# Allegro board BeagleBone AI -64_PCB_V1.02_211119.brd (continued)
## Routing (per net, layer and track width the routed paths; a pad name or vN(x,y) marks a point on that pad's centre or on a via; arc(x,y) is an arc through that point) (continued)
  L6-GND w0.381: P9.43 -34.47,23.06 ; P9.43 -34.47,21.18 ; P9.43 -35.41,22.12 ; P9.43 -33.52,22.12 ; -37.01,23.72 P9.46 ; P9.46 -36.06,24.66 ; P9.46 -37.95,24.66 ; P9.45 -36.06,22.12 ; P9.45 -37.95,22.12 ; P9.45 -37.01,23.06 ; P9.45 -37.01,21.18 ; -11.86,6.93 J8.7 ; J8.7 -11.18,7.6 ; J8.7 -11.18,6.25 ; J8.7 -10.5,6.93 ; 51.24,12.45 J3.1 ; J3.1 52.61,12.45 ; J3.1 51.92,11.76 ; P9.E4 22.36,24.66 ; P9.E4 20.47,24.66 ; P9.E4 21.41,25.6 ; P9.E4 21.41,23.72 ; J8.16 -10.5,10.13 ; J8.16 -11.86,10.13 ; J8.16 -11.18,9.45 ; J8.16 -11.18,10.8 ; -27.07,0.47 J9.12 ; J9.12 -24.91,0.47 ; J9.12 -25.99,1.55 ; J9.12 -25.99,-0.61 ; -14.68,4.75 J8.4 ; J8.4 -14.68,6.1 ; J8.4 -14,5.43 ; J8.4 -15.36,5.43 ; 18.87,69.44 P8.1 ; P8.1 18.87,71.32 ; P8.1 17.93,70.38 ; P8.1 19.82,70.38 ; -14.68,7.95 J8.13 ; J8.13 -15.36,8.63 ; J8.13 -14.68,9.3 ; J8.13 -14,8.63 ; J9.14 -36.71,1.55 ; J9.14 -36.71,-0.61 ; J9.14 -35.63,0.47 ; 51.92,19.27 J2.1 ; J2.1 51.24,19.95 ; J2.1 52.61,19.95 ; 34.85,3.91 J5.B1 34.37,4.39 ; 17.93,72.92 P8.2 ; P8.2 18.87,73.86 ; P8.2 18.87,71.98 ; P8.2 19.82,72.92 ; P9.44 -34.47,25.6 ; P9.44 -34.47,23.72 ; P9.44 -33.52,24.66 ; P9.44 -35.41,24.66 ; 11.81,4.08 J7.14 10.64,4.08 ; MH8.1 42.48,43.27 ; MH8.1 45.56,40.19 ; MH8.1 42.48,37.11 ; MH8.1 39.41,40.19 ; J6.2 25.77,1.97 ; J6.2 23.84,1.2 ; J6.2 25.77,0.42 ; J6.2 27.7,1.2 ; 40.47,4.39 J5.B12 39.99,3.91 ; 10.01,4.08 J7.8 8.84,4.08
  L7-PWR/GND w0.203: v1(40.04,22.79) 37.87,22.79 36.37,21.29 34.3,21.29 33.81,21.77 33.81,25.71 32.31,27.2 31.96,27.56 24.11,27.56 23.76,27.2 4.86,27.2 4.63,26.98 2.52,26.98 1.53,27.97 -7.77,27.97 -8.43,28.63 v1(-8.43,30.33) -8.43,30.79 -6.44,32.77 -6.44,32.83 v1(-6.12,33.15) -5.56,33.71 -5.56,42.72 v1(-5.09,43.18) ; v1(-6.69,43.98) -6.22,43.51 -6.22,36.95 -6.36,36.81 v1(-6.36,34.35) -9.47,31.24 -9.47,28.4 -8.38,27.31 1.06,27.31 2.05,26.32 4.9,26.32 5.13,26.54 24.06,26.54 24.34,26.82 31.6,26.82 32.62,25.81 32.62,21.96 34.11,20.47 36.61,20.47 37.57,21.44 39.3,21.44 v1(40.06,20.68)
  L7-PWR/GND w0.381: 51.24,19.95 J2.1 ; J2.1 52.61,19.95 ; J2.1 51.92,19.27 ; 51.92,11.76 J3.1 ; J3.1 52.61,12.45 ; J3.1 51.24,12.45
  L8-PWR/GND w0.381: -37.01,23.72 P9.46 -37.95,24.66 ; 11.81,4.08 J7.14 10.64,4.08 ; -34.47,21.18 P9.43 -35.41,22.12 ; 39.99,3.91 J5.B12 40.47,4.39 ; -37.95,22.12 P9.45 ; P9.45 -37.01,23.06 ; P9.45 -36.06,22.12 ; P9.45 -37.01,21.18 ; J6.2 25.77,1.97 ; J6.2 27.7,1.2 ; J6.2 23.84,1.2 ; J6.2 25.77,0.42 ; 34.37,4.39 J5.B1 34.85,3.91 ; 10.01,4.08 J7.8 8.84,4.08
  L8-PWR/GND w0.635: 17.93,70.38 P8.1 ; P8.1 18.87,71.32 ; P8.1 19.82,70.38 ; P8.1 18.87,69.44 ; P8.2 18.87,73.86 ; P8.2 17.93,72.92 ; P8.2 19.82,72.92 ; P8.2 18.87,71.98
  L9-PWR/GND w0.381: 51.24,12.45 J3.1 ; J3.1 51.92,11.76 ; J3.1 52.61,12.45
  L9-PWR/GND w0.406: J2.1 52.76,19.95 52.8,19.92 53.07,19.92
  L9-PWR/GND w0.635: 17.93,72.92 P8.2 ; P8.2 18.87,73.86 ; P8.2 19.82,72.92
  L10-SIGNAL w0.152: v1(42.32,48.64) 42.03,48.94 42.03,49.47 41.61,49.89 38.84,49.89 37.87,48.91 30.65,48.91 27.12,52.44 9.71,52.44 7.27,50 7.27,50 7.26,49.99 -3.63,49.99 -3.88,49.74 -3.88,49.2 v1(-4.29,48.79) ; v1(-3.49,51.99) -3.9,51.58 -3.9,50.9 -3.59,50.58 7,50.58 9.44,53.03 16.53,53.03 16.54,53.02 27.48,53.02 31.01,49.49 37.48,49.49 38.72,50.73 v1(42.12,50.73) ; -4.26,52.79 v1(-4.29,52.79)
  L10-SIGNAL w0.356: J8.13 -14.68,9.3 ; J8.13 -15.36,8.63 ; J8.13 -14,8.63 ; J8.13 -14.68,7.95 ; P8.1 18.87,71.32 ; P8.1 17.93,70.38 ; P8.1 19.82,70.38 ; -14.68,4.75 J8.4 ; J8.4 -14,5.43 ; J8.4 -14.68,6.1 ; J8.4 -15.36,5.43 ; 39.99,3.91 J5.B12 40.47,4.39 ; 34.37,4.39 J5.B1 34.85,3.91 ; J3.1 52.61,12.45 ; J3.1 51.92,11.76 ; J3.1 51.24,12.45 ; J3.1 51.92,13.13 ; P8.2 18.87,73.86 ; P8.2 19.82,72.92 ; P8.2 17.93,72.92 ; P8.2 18.87,71.98 ; J9.14 -36.71,1.55 ; J9.14 -36.71,-0.61 ; J9.14 -35.63,0.47 ; J2.1 52.61,19.95 ; J2.1 51.92,19.27 ; J2.1 51.92,20.64 ; -25.99,-0.61 J9.12 ; J9.12 -25.99,1.55 ; J9.12 -24.91,0.47 ; J9.12 -27.07,0.47 ; 21.41,23.72 P9.E4 ; P9.E4 21.41,25.6 ; P9.E4 20.47,24.66 ; -34.47,23.06 P9.43 -34.47,21.18 ; 23.84,1.2 J6.2 ; J6.2 27.7,1.2 ; J6.2 25.77,0.42 ; J6.2 25.77,1.97 ; 10.64,4.08 J7.14 11.81,4.08 ; 10.01,4.08 J7.8 8.84,4.08 ; MH8.1 45.56,40.19 ; MH8.1 39.41,40.19 ; MH8.1 42.48,43.27 ; -37.01,21.18 P9.45 -37.01,23.06
  L11-GND w0.203: J5.B12 40.37,3.81 40.37,3.3 ; 34.49,3.28 34.49,3.79 J5.B1
  L11-GND w0.381: J8.16 -10.5,10.13 ; J8.16 -11.18,10.8 ; J8.16 -11.18,9.45 ; J8.16 -11.86,10.13 ; -34.47,21.18 P9.43 ; P9.43 -35.41,22.12 ; P9.43 -34.47,23.06 ; P9.43 -33.52,22.12 ; J8.4 -14.68,6.1 ; J8.4 -14.68,4.75 ; J8.4 -15.36,5.43 ; J8.4 -14,5.43 ; J6.2 25.77,1.97 ; J6.2 23.84,1.2 ; J6.2 25.77,0.42 ; J6.2 27.7,1.2 ; 10.64,4.08 J7.14 11.81,4.08 ; J3.1 52.61,12.45 ; J3.1 51.92,11.76 ; J3.1 51.24,12.45 ; 39.99,3.91 J5.B12 40.47,4.39 ; J9.12 -24.91,0.47 ; J9.12 -25.99,1.55 ; J9.12 -27.07,0.47 ; J9.12 -25.99,-0.61 ; P8.2 19.82,72.92 ; P8.2 18.87,73.86 ; P8.2 18.87,71.98 ; P8.2 17.93,72.92 ; J8.13 -14.68,9.3 ; J8.13 -15.36,8.63 ; J8.13 -14.68,7.95 ; J8.13 -14,8.63 ; 39.41,40.19 MH8.1 ; MH8.1 42.48,37.11 ; MH8.1 42.48,43.27 ; MH8.1 45.56,40.19 ; -37.95,22.12 P9.45 ; P9.45 -37.01,21.18 ; P9.45 -36.06,22.12 ; P9.45 -37.01,23.06 ; -11.18,6.25 J8.7 ; J8.7 -10.5,6.93 ; J8.7 -11.86,6.93 ; J8.7 -11.18,7.6 ; J2.1 52.61,19.95 ; J2.1 51.24,19.95 ; J2.1 51.92,19.27 ; P8.1 18.87,71.32 ; P8.1 17.93,70.38 ; P8.1 18.87,69.44 ; P8.1 19.82,70.38 ; -37.01,23.72 P9.46 ; P9.46 -36.06,24.66 ; P9.46 -37.95,24.66 ; J9.14 -36.71,1.55 ; J9.14 -35.63,0.47 ; J9.14 -36.71,-0.61 ; 21.41,23.72 P9.E4 ; P9.E4 22.36,24.66 ; P9.E4 20.47,24.66 ; P9.E4 21.41,25.6 ; 34.37,4.39 J5.B1 34.85,3.91 ; P9.44 -33.52,24.66 ; P9.44 -35.41,24.66 ; P9.44 -34.47,25.6 ; P9.44 -34.47,23.72 ; 8.84,4.08 J7.8 10.01,4.08
  L12-SIGNAL w0.356: -11.86,10.13 J8.16 ; J8.16 -11.18,9.45 ; J8.16 -11.18,10.8 ; J8.16 -10.5,10.13 ; -11.18,6.25 J8.7 ; J8.7 -11.86,6.93 ; J8.7 -10.5,6.93 ; J8.7 -11.18,7.6 ; -15.36,8.63 J8.13 ; J8.13 -14.68,7.95 ; J8.13 -14,8.63 ; J8.13 -14.68,9.3 ; J9.14 -36.71,1.55 ; J9.14 -35.63,0.47 ; J9.14 -36.71,-0.61 ; 34.85,3.91 J5.B1 34.37,4.39 ; -35.41,24.66 P9.44 ; P9.44 -33.52,24.66 ; P9.44 -34.47,23.72 ; P9.44 -34.47,25.6 ; P9.45 -36.06,22.12 ; P9.45 -37.01,23.06 ; P9.45 -37.95,22.12 ; P9.45 -37.01,21.18 ; -37.01,23.72 P9.46 ; P9.46 -36.06,24.66 ; P9.46 -37.95,24.66 ; P8.1 18.87,71.32 ; P8.1 17.93,70.38 ; P8.1 19.82,70.38 ; 11.81,4.08 J7.14 10.64,4.08 ; -34.47,21.18 P9.43 ; P9.43 -35.41,22.12 ; P9.43 -34.47,23.06 ; P9.43 -33.52,22.12 ; P8.2 18.87,73.86 ; P8.2 19.82,72.92 ; P8.2 18.87,71.98 ; P8.2 17.93,72.92 ; J2.1 52.61,19.95 ; J2.1 51.24,19.95 ; J2.1 51.92,20.64 ; J2.1 51.92,19.27 ; MH8.1 42.48,43.27 ; MH8.1 45.56,40.19 ; MH8.1 42.48,37.11 ; MH8.1 39.41,40.19 ; J9.12 -24.91,0.47 ; J9.12 -25.99,1.55 ; J9.12 -25.99,-0.61 ; J9.12 -27.07,0.47 ; -15.36,5.43 J8.4 ; J8.4 -14.68,6.1 ; J8.4 -14,5.43 ; J8.4 -14.68,4.75 ; J6.2 27.7,1.2 ; J6.2 25.77,1.97 ; J6.2 25.77,0.42 ; J6.2 23.84,1.2 ; 8.84,4.08 J7.8 10.01,4.08 ; J3.1 51.92,13.13 ; J3.1 52.61,12.45 ; J3.1 51.92,11.76 ; J3.1 51.24,12.45 ; 40.47,4.39 J5.B12 39.99,3.91 ; 20.47,24.66 P9.E4 21.41,25.6
  L13-GND w0.203: J5.B12 40.37,3.81 40.37,3.3 ; 34.49,3.3 34.49,3.79 J5.B1
  L13-GND w0.381: J8.7 -10.5,6.93 ; J8.7 -11.86,6.93 ; J8.7 -11.18,6.25 ; J8.7 -11.18,7.6 ; -34.47,23.72 P9.44 ; P9.44 -33.52,24.66 ; P9.44 -35.41,24.66 ; P9.44 -34.47,25.6 ; J3.1 52.61,12.45 ; J3.1 51.92,11.76 ; J3.1 51.24,12.45 ; -34.47,21.18 P9.43 ; P9.43 -33.52,22.12 ; P9.43 -34.47,23.06 ; P9.43 -35.41,22.12 ; 34.85,3.91 J5.B1 34.37,4.39 ; 17.93,72.92 P8.2 ; P8.2 18.87,73.86 ; P8.2 19.82,72.92 ; P8.2 18.87,71.98 ; P9.45 -36.06,22.12 ; P9.45 -37.95,22.12 ; P9.45 -37.01,23.06 ; P9.45 -37.01,21.18 ; J8.16 -11.18,10.8 ; J8.16 -11.86,10.13 ; J8.16 -11.18,9.45 ; J8.16 -10.5,10.13 ; 8.84,4.08 J7.8 10.01,4.08 ; -25.99,-0.61 J9.12 ; J9.12 -27.07,0.47 ; J9.12 -25.99,1.55 ; J9.12 -24.91,0.47 ; J9.14 -35.63,0.47 ; J9.14 -36.71,1.55 ; J9.14 -36.71,-0.61 ; J6.2 25.77,1.97 ; J6.2 27.7,1.2 ; J6.2 23.84,1.2 ; J6.2 25.77,0.42 ; 11.81,4.08 J7.14 10.64,4.08 ; -14.68,4.75 J8.4 ; J8.4 -14,5.43 ; J8.4 -14.68,6.1 ; J8.4 -15.36,5.43 ; 21.41,23.72 P9.E4 ; P9.E4 22.36,24.66 ; P9.E4 20.47,24.66 ; P9.E4 21.41,25.6 ; J2.1 52.61,19.95 ; J2.1 51.92,19.27 ; J2.1 51.24,19.95 ; P8.1 18.87,71.32 ; P8.1 17.93,70.38 ; P8.1 19.82,70.38 ; P8.1 18.87,69.44 ; 40.47,4.39 J5.B12 39.99,3.91 ; MH8.1 42.48,43.27 ; MH8.1 42.48,37.11 ; MH8.1 45.56,40.19 ; MH8.1 39.41,40.19 ; -14.68,7.95 J8.13 ; J8.13 -14.68,9.3 ; J8.13 -15.36,8.63 ; J8.13 -14,8.63 ; -37.95,24.66 P9.46 ; P9.46 -37.01,23.72 ; P9.46 -36.06,24.66
  BOTTOM w0.152: -5.98,42.48 -6.16,42.31 -6.62,42.31 v1(-6.69,42.38) ; C361.2 -11.51,63.17 v1(-11.49,63.19) ; C359.2 -12.27,63.17 v1(-12.29,63.19) -12.29,63.06 ; -13.06,63.06 v1(-13.06,63.19) -13.04,63.17 C353.2 ; -9.17,43.11 -9.17,42.92
  BOTTOM w0.165: D6.2 14.98,10.43 v1(15.51,9.9) ; v1(-23.12,48.78) -23.04,48.7 C279.2 ; R110.2 -20.14,38.34 v1(-20.73,37.75) ; 13.19,32.18 13.19,31.95 13.09,31.85 v1(13.09,31.75) ; U1.12 v1(41.44,12.8) ; C278.2 -17.65,65.79 v1(-17.57,65.71) ; D15.1 v1(-10.11,13.06) ; v1(24.54,58.14) 24.54,58.14 24.54,58.13 24.56,58.15 24.56,58.21 C71.2 ; C112.2 8.71,30.65 8.59,30.53 v1(8.59,30.29) ; R86.2 v1(3.57,8.51) ; 24.49,28.9 24.49,28.85 v1(23.73,28.09) ; v1(-8.05,12.98) -8.05,12.9 -8.07,12.88 D14.1 ; D9.2 10.99,10.89 v1(11.44,11.33) 11.89,11.33 12.13,11.09 12.13,10.74 D8.2 ; R120.2 v1(-19.6,34.06) ; v1(-21.38,34.06) -21.27,34.17 R126.2 ; v1(6.41,10.06) 6.48,10.13 6.62,10.13 D12.2 ; 40.94,17.26 C16.2 ; v1(-19.7,44.5) -19.59,44.61 R116.2 ; v1(-12.16,12.96) -12.14,12.93 D16.1 ; C109.2 9.71,28.95 v1(9.61,28.86) ; v1(-37.2,47.37) -37.11,47.37 -36.97,47.23 R156.2 ; R80.2 v1(6.66,59.03) ; D17.1 v1(-14.18,12.95) ; -19.78,52.74 R119.2 ; R114.2 R113.2 ; D11.2 8.63,10.13 8.78,10.13 v1(8.85,10.06) 9.22,10.43 D10.2 ; D13.1 v1(-6.06,12.99) ; D18.1 v1(-16.19,12.98)
  BOTTOM w0.203: v1(38.06,75.06) 38.06,74.93 37.73,74.61 J4.57 37.73,73.47 ; v1(39.37,6.48) 39.27,6.58 D45.1 ; v1(18.35,15.19) 18.14,15.4 U3.9 ; U3.25 17.14,15.54 U3.6 ; U3.25 18.14,14.04 U3.3 ; U3.25 18.64,14.04 U3.16 ; v1(50.98,72.01) 50.53,72.01 50.51,72.04 50.48,72.04 50.23,72.28 50.23,73.28 ; 43.73,73.75 43.73,74.82 v1(43.82,74.91) ; R59.2 v1(14.8,13.75) ; C122.2 v1(2.78,65.73) ; v1(42.22,74.88) 42.23,74.88 J4.39 42.23,73.47 ; 40.73,73.47 J4.45 v1(40.73,74.99) ; v1(35.24,6.48) 35.14,6.58 D5.1 ; v1(37.01,7.65) 37.01,7.55 37.12,7.44 D46.1 ; v1(39.15,74.78) 39.23,74.69 J4.51 39.23,73.47 ; C91.2 v1(19.33,9.5) ; J4.33 43.73,73.47 ; C88.2 v1(19.36,8.51)
  BOTTOM w0.229: 16.52,46.69 16.47,46.74 C99.2 ; C82.2 21.07,51.97 21.25,51.79 ; C171.2 -2.62,46.31 v1(-2.69,46.38) ; C90.2 19.37,35.86 19.18,36.04 ; C73.2 23.3,51.97 23.12,51.79 ; C58.2 27.65,46.47 27.49,46.31 ; C103.2 16.34,41.91 16.52,41.74 ; C59.2 27.64,41.33 27.46,41.51 ; C100.2 16.47,38.94
  BOTTOM w0.241: 8.84,4.08 J7.8 10.01,4.08 ; C120.2 2.85,30.3 ; C120.2 2.17,29.43 ; C120.2 2.17,31.18 ; 26.11,64.51 C66.2 ; C66.2 26.97,64.51 ; C66.2 26.54,64.94 ; 51.92,19.27 J2.1 ; J2.1 52.61,19.95 ; J2.1 51.92,20.64 ; J2.1 51.24,19.95 ; -8.96,54.05 C229.2 -8.96,54.73 ; 37.03,23.32 C42.2 ; C42.2 37.65,22.7 ; C42.2 37.65,23.95 ; C42.2 38.27,23.32 ; 46.06,16.22 D4.1 46.92,16.22 ; 37.62,11.59 v1(37.62,11.16) 37.2,11.16 ; -32.3,34.26 C299.2 ; C299.2 -31.87,34.69 ; C299.2 -31.87,33.83 ; C299.2 -31.44,34.26 ; D2.1 48.51,32.58 ; D2.1 48.51,31.73 ; D2.1 48.08,32.15 ; -3.74,33.87 C378.2 -3.31,34.3 ; C24.2 41.07,46.31 ; C24.2 41.94,45.32 ; C24.2 41.07,44.33 ; C24.2 40.19,45.32 ; 42.23,62.36 C10.2 ; C10.2 43.1,61.37 ; C10.2 43.98,62.36 ; C80.2 21.98,58.74 ; C80.2 22.97,57.87 ; C80.2 21.98,56.99 ; C80.2 20.99,57.87 ; P9.E4 21.41,25.6 ; P9.E4 22.36,24.66 ; P9.E4 21.41,23.72 ; P9.E4 20.47,24.66 ; C184.2 -3.18,50.17 ; C184.2 -3.52,50.49 ; C184.2 -3.86,50.17 ; 37.03,27.18 C40.2 ; C40.2 38.27,27.18 ; C40.2 37.65,27.81 ; C40.2 37.65,26.56 ; C305.2 -33.48,35.02 ; C305.2 -33.91,34.59 ; C305.2 -33.05,34.59 ; C305.2 -33.48,34.16 ; -43.55,51.51 SW3.3 -43.55,52.68 ; R356.2 47.78,38.95 ; R356.2 46.92,38.95 ; R356.2 47.35,38.52 ; -34.47,23.72 P9.44 ; P9.44 -34.47,25.6 ; P9.44 -33.52,24.66 ; P9.44 -35.41,24.66 ; 39.57,49.96 C29.2 ; C29.2 40.19,50.58 ; C29.2 40.81,49.96 ; P9.45 -37.01,23.06 ; P9.45 -36.06,22.12 ; P9.45 -37.95,22.12 ; P9.45 -37.01,21.18 ; 49,54.95 C2.2 ; C2.2 49,56.33 ; C2.2 48.13,55.64 ; C2.2 49.88,55.64 ; 52.83,71.38 J4.76 ; J4.76 52.83,74.5 ; J4.76 53.62,72.94 ; -38.95,32.74 C311.2 ; C311.2 -38.63,32.41 ; C311.2 -38.63,33.08 ; 51.24,12.45 J3.1 ; J3.1 51.92,11.76 ; J3.1 51.92,13.13 ; J3.1 52.61,12.45 ; -28.4,32.18 C288.2 ; C288.2 -28.09,31.85 ; C288.2 -28.09,32.52 ; C7.2 45.73,56.49 ; C7.2 45.41,56.15 ; C7.2 45.73,55.82 ; C16.2 41.44,18.25 ; C16.2 41.44,16.27 ; C16.2 42.32,17.26 ; 51.78,34.15 LED1.2 50.66,34.15 ; -3.14,43.3 C181.2 -3.82,43.3 ; -7.61,46.73 C223.2 -7.61,46.05 ; MH8.1 42.48,43.27 ; MH8.1 42.48,37.11 ; MH8.1 45.56,40.19 ; MH8.1 39.41,40.19 ; -20.36,14.5 C314.2 ; C314.2 -19.5,14.5 ; C314.2 -19.93,14.07 ; 32.13,71.38 J4.77 ; J4.77 32.13,74.5 ; J4.77 31.35,72.94 ; -17.93,66.66 C278.2 -18.61,65.79 ; C62.2 26.44,58.74 ; C62.2 26.44,56.99 ; C62.2 25.45,57.87 ; C300.2 -33.37,49.81 ; C300.2 -34.06,50.69 ; C300.2 -34.06,48.94 ; C300.2 -34.75,49.81 ; 45.21,1.32 C6.2 ; C6.2 47.19,1.32 ; C6.2 46.2,2.19 ; C71.2 25.21,57.86 ; C71.2 24.21,58.74 ; C71.2 23.22,57.86 ; C71.2 24.21,56.99 ; 42.25,60.15 C13.2 ; C13.2 42.94,61.03 ; C13.2 42.94,59.28 ; C13.2 43.63,60.15 ; v1(6.65,56.86) 7.07,56.86 ; v1(6.65,56.86) 6.65,57.29 ; v1(6.65,56.86) 6.22,56.86 ; 34.85,3.91 J5.B1 34.37,4.39 ; -3.14,48.13 C180.2 -3.82,48.13 ; -4.99,64.85 R96.2 -4.65,65.17 ; C421.2 -17.94,14.02 ; C421.2 -18.56,13.4 ; C421.2 -18.56,14.65 ; C421.2 -19.18,14.02 ; -9.74,50.85 C242.2 -9.74,51.53 ; -5.43,46.49 C203.2 -4.76,46.49 ; P8.1 19.82,70.38 ; P8.1 17.93,70.38 ; P8.1 18.87,71.32 ; P8.1 18.87,69.44 ; C14.2 43.03,34.23 ; C14.2 41.27,34.23 ; C14.2 42.15,35.22 ; C14.2 42.15,33.24 ; J8.4 -14.68,6.1 ; J8.4 -15.36,5.43 ; J8.4 -14.68,4.75 ; J8.4 -14,5.43 ; -32.14,57.42 U6.3 -31.51,57.8 ; 18.19,26.31 P9.2 ; P9.2 18.87,25.18 ; P9.2 18.87,27.43 ; P9.2 19.56,26.31 ; v1(-25.1,40.45) -25.1,41.07 ; v1(-25.1,40.45) -24.48,40.45 ; v1(-25.1,40.45) -25.1,39.82 ; v1(-25.1,40.45) -25.72,40.45 ; -33.89,29.91 C304.2 ; C304.2 -33.46,30.33 ; C304.2 -33.46,29.48 ; C304.2 -33.03,29.91 ; -5.86,50.25 C204.2 -5.53,50.57 ; J9.14 -35.63,0.47 ; J9.14 -36.71,-0.61 ; J9.14 -36.71,1.55 ; 29.31,50.95 C52.2 ; C52.2 28.44,51.63 ; C52.2 29.31,52.32 ; C52.2 30.19,51.63 ; -25.17,43.52 C286.2 -24.83,43.84 ; -33.86,33.39 C307.2 ; C307.2 -33.54,33.72 ; C307.2 -33.86,34.06 ; 28.68,37.96 C55.2 ; C55.2 29.02,37.64 ; C55.2 29.35,37.96 ; C30.2 41.69,62.3 ; C30.2 39.93,62.3 ; C30.2 40.81,63.29 ; C30.2 40.81,61.31 ; R154.2 -33.44,29.31 ; R154.2 -33.87,28.88 ; R154.2 -33.01,28.88 ; R154.2 -33.44,28.45 ; 39.99,3.91 J5.B12 40.47,4.39 ; 37.03,28.66 C39.2 ; C39.2 37.65,28.03 ; C39.2 37.65,29.28 ; C39.2 38.27,28.66 ; -0.57,33.68 C386.2 -0.14,33.26 ; -0.63,48.14 C145.2 0.04,48.14 ; -14,8.63 J8.13 -14.68,9.3 ; -2.34,52.94 C172.2 -3.02,52.94 ; C23.2 41.76,60.15 ; C23.2 41.08,61.03 ; C23.2 40.39,60.15 ; 0.7,44.31 C127.2 0.7,43.64 ; 30.13,59.54 U2.15 30.13,57.14 ; C370.2 -6.36,34.78 ; C370.2 -5.93,34.35 ; C370.2 -6.36,33.92 ; 15.91,15.54 U3.6 16.44,15.84 ; C18.2 41.47,32.11 ; C18.2 40.79,32.98 ; C18.2 40.1,32.11 ; C5.2 47.67,27.65 ; C5.2 46.79,26.96 ; C5.2 46.79,28.33 ; C5.2 45.92,27.65 ; -13.69,46.03 C277.2 -13.69,46.71 ; -29.33,33.83 C293.2 ; C293.2 -29.33,34.69 ; C293.2 -28.9,34.26 ; C293.2 -29.76,34.26 ; 17.93,8.45 v1(17.93,9.08) ; v1(17.93,9.08) 17.31,9.08 ; v1(17.93,9.08) 17.93,9.7 ; 29.86,61.73 C48.2 ; C48.2 30.19,62.05 ; C48.2 30.53,61.73 ; -20.8,14.34 -20.8,14.66 ; -20.8,14.66 -21.13,14.66 ; -20.8,14.66 -20.46,14.66 ; 43.52,28.26 R11.2 ; R11.2 44.19,28.26 ; R11.2 43.86,27.95 ; -41.22,16.09 v1(-41.22,16.62) ; v1(-41.22,16.62) -42.79,16.62 ; v1(-41.22,16.62) -41.22,17.16 ; 38.32,32.11 C34.2 ; C34.2 39.01,32.98 ; C34.2 39.7,32.11 ; 44.9,1.32 v1(43.91,1.32) 43.91,2.19 ; -5.89,32.32 C372.2 ; C372.2 -5.89,33.57 ; C372.2 -6.51,32.95 ; J9.12 -24.91,0.47 ; J9.12 -25.99,1.55 ; J9.12 -27.07,0.47 ; J9.12 -25.99,-0.61 ; C44.2 34.07,15.24 ; C44.2 35.02,13.51 ; C44.2 34.07,11.79 ; C44.2 33.11,13.51 ; 38.32,17.3 C35.2 ; C35.2 40.08,17.3 ; C35.2 39.2,16.31 ; -3.96,54.51 C193.2 -4.63,54.51 ; R353.2 50.6,39.05 ; R353.2 49.74,39.05 ; R353.2 50.17,38.62 ; R80.2 6.66,59.46 ; R80.2 6.66,58.6 ; R80.2 6.23,59.03 ; C28.2 40.81,51.45 ; C28.2 40.19,52.08 ; C28.2 40.19,50.83 ; -11.88,50.94 C266.2 -11.27,51.55 ; 1.59,7.27 C157.2 1.27,6.93 ; -21.12,33.85 R126.2 -20.79,34.17 ; 15.38,12.33 C106.1 14.71,12.33 ; -4.89,55.48 R97.2 -5.32,55.91 ; 51.78,30.89 LED3.2 50.66,30.89 ; C240.2 -9.45,62.54 ; C240.2 -10.31,62.54 ; C240.2 -9.88,62.11 ; C93.2 18.65,63.73 ; C93.2 18.65,62.49 ; C93.2 18.02,63.11 ; -37.95,24.66 P9.46 ; P9.46 -36.06,24.66 ; P9.46 -37.01,23.72 ; -43.55,57.26 SW2.3 -43.55,58.43 ; -1.74,55.64 C161.2 -1.74,56.32 ; 24.84,27.91 C75.2 ; C75.2 24.84,29.89 ; C75.2 25.72,28.9 ; C75.2 24.49,28.9 ; C294.2 -29.41,29.6 ; C294.2 -29.84,29.17 ; C294.2 -30.27,29.6 ; C294.2 -29.84,30.03 ; -31.32,34.7 C298.2 ; C298.2 -30.98,34.38 ; C298.2 -30.64,34.7 ; 48.38,5.95 R22.2 49.23,5.95 ; 40.19,55.89 C25.2 ; C25.2 40.19,57.13 ; C25.2 39.57,56.51 ; C25.2 40.81,56.51 ; 17.59,34.11 C97.2 17.59,34.79 ; 40.19,52.25 C27.2 40.19,53.5 ; 42.45,45.33 C9.2 ; C9.2 44.2,45.33 ; C9.2 43.32,46.32 ; C9.2 43.32,44.34 ; 13.39,47.61 R66.2 13.73,47.93 ; v1(1.86,31.88) 1.86,32.31 ; v1(1.86,31.88) 1.43,31.88 ; v1(1.86,31.88) 1.86,31.45 ; 12.44,10.86 D8.2 12.01,10.43 ; -0.22,31.81 C387.2 ; C387.2 0.47,30.93 ; C387.2 0.47,32.69 ; C387.2 1.15,31.81 ; -7.15,52.66 C220.2 -7.82,52.66 ; -11.95,44.64 C270.2 -12.62,44.64 ; 39.05,18.65 C33.2 ; C33.2 39.73,19.53 ; C33.2 38.36,19.53 ; C33.2 39.05,20.41 ; 0.04,46.49 C146.2 -0.63,46.49 ; 42.05,57.03 R13.2 42.39,57.35 ; -1.39,54.21 C154.2 -0.72,54.21 ; -1.61,14.44 C142.2 ; C142.2 1.29,14.44 ; C142.2 -0.16,15.38 ; C142.2 -0.16,13.5 ; 7.28,6.99 J7.1 7.63,5.82 ; 4.54,8.18 R84.2 ; R84.2 4.54,8.85 ; R84.2 4.22,8.51 ; 7.78,62.91 C113.2 8.4,62.28 ; 19.86,59.34 C87.2 ; C87.2 19.86,60.72 ; C87.2 18.98,60.03 ; 14.37,13.76 R59.2 14.8,14.19 ; C20.2 41.73,28.1 ; C20.2 41.11,28.72 ; C20.2 41.11,27.48 ; C20.2 40.49,28.1 ; C31.2 39.95,55.43 ; C31.2 39.63,55.09 ; C31.2 39.63,55.76 ; C306.2 -33.52,31.98 ; C306.2 -33.84,31.64 ; C306.2 -33.84,32.32 ; -37.96,45.44 TP16.1 -38.77,44.63 ; -7.02,53.73 C212.2 -6.35,53.73 ; 49.34,56.97 R2.2 49,56.66 ; 4.01,13.16 v1(4.01,11.28) 4.01,9.4 ; 19.79,8.57 C88.2 19.36,9 ; -9.29,46.73 C244.2 -9.29,46.05 ; C68.2 26.76,62.44 ; C68.2 26.13,63.06 ; C68.2 25.51,62.44 ; C68.2 26.13,61.82 ; -28.78,29.29 C292.2 ; C292.2 -28.44,29.61 ; C292.2 -28.1,29.29 ; -33.17,51.03 U5.2 -33.17,52.41 ; P9.43 -33.52,22.12 ; P9.43 -34.47,21.18 ; P9.43 -35.41,22.12 ; P9.43 -34.47,23.06 ; 38.87,34.3 C32.2 ; C32.2 39.75,33.31 ; C32.2 40.63,34.3 ; C32.2 39.75,35.29 ; -4.89,47.7 C197.2 -4.89,48.38 ; 22.76,60.05 C76.2 23.09,60.37 ; C287.2 -27.12,29.6 ; C287.2 -27.55,30.03 ; C287.2 -27.55,29.17 ; C287.2 -27.98,29.6 ; -34.75,55.85 C301.2 -33.38,55.85 ; -0.52,51.59 C136.2 0.09,52.2 ; -45.86,16.09 v1(-45.86,16.62) -44.29,16.62 ; -6.87,47.49 C218.2 -6.87,46.81 ; 25.77,0.42 J6.2 ; J6.2 23.84,1.2 ; J6.2 27.7,1.2 ; J6.2 25.77,1.97 ; 15.44,29.72 C104.2 15.87,30.15 ; 46.06,3.56 C21.2 ; C21.2 45.18,4.24 ; C21.2 46.06,4.93 ; C21.2 46.93,4.24 ; C43.2 37.65,22.44 ; C43.2 38.27,21.82 ; C43.2 37.03,21.82 ; 30.38,40.06 C47.2 ; C47.2 32.13,40.06 ; C47.2 31.25,39.37 ; C47.2 31.25,40.75 ; 8.32,10.86 D11.2 8.75,10.43 ; 17.93,72.92 P8.2 ; P8.2 19.82,72.92 ; P8.2 18.87,73.86 ; P8.2 18.87,71.98 ; -27.14,42.96 v1(-26.72,42.96) ; v1(-26.72,42.96) -26.29,42.96 ; v1(-26.72,42.96) -26.72,42.53 ; v1(-26.72,42.96) -26.72,43.39 ; -2.12,57.21 R90.2 -1.51,57.81 ; 0.37,54.73 C138.2 0.37,54.05 ; 22.79,64.47 R40.2 23.47,64.47 ; 21.26,62.82 C81.2 21.93,62.82 ; 11.81,4.08 J7.14 10.64,4.08 ; -4.8,53.13 C202.2 -4.8,52.45 ; 49.71,31.73 D1.1 49.71,32.58 ; 40.04,14.84 v1(40.47,14.84) 40.47,14.41 ; 32.46,40.06 C45.2 ; C45.2 33.33,40.74 ; C45.2 34.21,40.06 ; C45.2 33.33,39.37 ; -3.82,46.14 C182.2 -3.15,46.14 ; C290.2 -28,33.15 ; C290.2 -28.43,33.58 ; C290.2 -28.86,33.15 ; C290.2 -28.43,32.72 ; -8.27,65.49 C226.2 -8.27,66.74 ; -31.06,29.29 C297.2 ; C297.2 -30.39,29.29 ; C297.2 -30.73,29.61 ; v1(-25.09,37.96) -25.09,38.58 ; v1(-25.09,37.96) -24.46,37.96 ; v1(-25.09,37.96) -25.09,37.34 ; 50.31,56.85 C1.2 ; C1.2 51.31,55.97 ; C1.2 51.31,57.73 ; C1.2 52.3,56.85 ; -1.72,43.52 C160.2 -1.72,42.85 ; -40.5,49.86 C313.2 -41.17,49.86 ; -28.09,31.08 C289.2 ; C289.2 -28.4,31.42 ; C289.2 -28.09,31.76 ; 3.14,8.48 R86.2 ; R86.2 3.99,8.48 ; R86.2 3.57,8.05 ; J5.A12 34.67,5.76 ; J5.A12 34.34,5.13 ; J5.A12 34.67,4.5 ; -43.55,63.95 SW1.3 -43.55,62.78 ; C366.2 -9.49,66.86 ; C366.2 -9.92,66.43 ; C366.2 -9.06,66.43 ; 44.71,11.07 C11.2 44.28,11.5 ; -33.89,32.85 C303.2 ; C303.2 -33.46,33.28 ; C303.2 -33.03,32.85 ; C303.2 -33.46,32.42 ; 41.19,18.63 C17.2 ; C17.2 41.88,19.51 ; C17.2 40.51,19.51 ; -6.87,49.14 C216.2 -6.87,48.46 ; -18.35,12.22 D19.1 -17.92,12.65 ; 37.65,25.04 C41.2 ; C41.2 38.27,25.66 ; C41.2 37.03,25.66 ; C41.2 37.65,26.28 ; 23.97,31.25 C74.2 ; C74.2 24.84,32.24 ; C74.2 25.72,31.25 ; C74.2 24.84,30.26 ; 40.5,5.13 J5.A1 40.17,4.5 ; -6.49,45.46 C209.2 -6.15,45.78 ; P9.34 -21.77,27.43 ; P9.34 -22.45,26.31 ; P9.34 -21.08,26.31 ; -3.31,47.52 C176.2 -3.31,46.84 ; v1(-25.14,36.5) -24.52,36.5 ; v1(-25.14,36.5) -25.14,37.12 ; v1(-25.14,36.5) -25.76,36.5 ; -28.96,30.55 C291.2 ; C291.2 -28.1,30.55 ; C291.2 -28.53,30.98 ; C291.2 -28.53,30.12 ; -2.05,52.31 C167.2 -2.05,51.64 ; 31.2,56.62 U2.7 30.57,56.62 ; 41.48,15.27 C19.2 41.48,14.41 ; 41.15,46.58 C22.2 ; C22.2 41.83,47.46 ; C22.2 40.46,47.46 ; -6.3,34.99 C111.2 ; C111.2 -6.62,35.33 ; C111.2 -6.3,35.66 ; -11.18,9.45 J8.16 -11.18,10.8 ; C312.2 -39.52,32.2 ; C312.2 -38.83,31.32 ; C312.2 -40.2,31.32 ; C312.2 -39.52,30.44 ; 29.41,41.26 C54.2 28.73,41.26 ; C379.2 -2.95,33.59 ; C379.2 -3.57,32.96 ; C379.2 -2.32,32.96 ; -4.89,44.4 C198.2 -4.89,45.07 ; 46.06,17.15 D3.1 ; D3.1 46.92,17.15 ; D3.1 46.49,17.58 ; C26.2 40.19,54.96 ; C26.2 40.81,54.34 ; C26.2 40.19,53.71 ; 13.5,30.12 C107.2 13.93,29.69 ; 45.66,13.56 C8.2 ; C8.2 47.57,13.56 ; C8.2 46.61,11.83 ; -24.72,41.22 C282.2 ; C282.2 -24.72,42.07 ; C282.2 -25.15,41.65 ; -30.09,55.19 C296.2 -30.76,55.19 ; 50.51,39.98 C510.2 49.83,39.98 ; 0.06,53.44 C144.2 -0.61,53.44 ; -3.02,43.88 C173.2 -2.35,43.88 ; -36.58,45.11 C309.2 -36.58,45.79 ; 1.13,46.73 C131.2 1.13,46.05 ; -4.41,45.92 C199.2 -4.41,45.24 ; -3.15,53.73 C183.2 -3.83,53.73 ; C295.2 -29.88,34.7 ; C295.2 -30.22,34.38 ; C295.2 -30.56,34.7 ; 1.23,64.7 C238.2 1.85,65.33 ; 6.93,10.86 D12.2 6.5,10.43 ; 12.05,30.55 C108.2 13.17,30.55 ; 43.21,55.61 C15.2 ; C15.2 43.21,56.85 ; C15.2 43.83,56.23 ; C15.2 42.59,56.23 ; -4.07,52.44 C187.2 -4.07,53.12 ; 29.07,61.74 C51.1 29.41,62.06 ; -4.62,46.49 C192.2 -3.94,46.49 ; -33.89,30.41 C308.2 ; C308.2 -33.89,31.08 ; C308.2 -33.58,30.74 ; 48.93,27.69 C3.2 ; C3.2 48.93,29.45 ; C3.2 47.94,28.57 ; -5.98,42.03 R98.2 -5.56,42.46 ; 15.62,60.62 C105.2 ; C105.2 16.5,59.63 ; C105.2 17.37,60.62 ; C102.2 16.87,30.12 ; C102.2 16.01,30.12 ; C102.2 16.44,29.69 ; C38.2 37.51,24.52 ; C38.2 37.19,24.85 ; C38.2 37.19,24.18 ; 40.33,29.32 R18.2 39.99,29 ; -4.13,55.62 C190.2 -4.13,56.29 ; 19.33,9.93 C91.2 19.33,9.07 ; 30.61,18.91 C46.2 ; C46.2 31.6,18.04 ; C46.2 32.6,18.91 ; -24.58,38.8 C332.2 -24.58,39.66 ; -11.41,65.9 C254.2 -10.79,65.27 ; C109.2 10.39,29.3 ; C109.2 9.02,29.3 ; C109.2 9.71,30.17 ; 0.04,43.31 C147.2 -0.63,43.31 ; 22.33,60.37 C78.2 22.67,60.05 ; 21.18,61.23 C83.2 20.86,61.56 ; 29.26,42.32 C49.2 29.94,42.32 ; 9.14,30.87 C112.2 8.71,31.3 ; C37.2 37.84,40.88 ; C37.2 36.09,40.88 ; C37.2 36.97,40.2 ; C37.2 36.97,41.57 ; 43.9,47.5 C12.2 43.21,46.63 ; C94.2 18.78,59.54 ; -7.3,49.23 C214.2 -7.3,49.9 ; -0.58,64.66 v1(-0.58,65.28) -0.58,65.9 ; -11.18,6.25 J8.7 -10.5,6.93 ; C84.2 20.66,62.86 ; 19.56,20.47 P9.1 18.19,20.47 ; -39.3,49.8 R159.2 ; R159.2 -38.45,49.8 ; R159.2 -38.87,49.38 ; R159.2 -38.87,50.23 ; 29.49,46.15 30.17,46.15
  BOTTOM w0.254: v1(52.1,72.16) 51.73,72.53 J4.1 ; C286.2 -24.5,43.52 v1(-24.05,43.97) -23.91,43.83 R138.2 ; C101.2 v1(15.51,9.9) ; v1(-27.58,44.48) -27.1,44.97 R140.2 ; D19.1 -18.35,13.1 v1(-18.36,13.11) ; C182.2 v1(-3.49,46.38) ; v1(50.1,39.57) 50.17,39.65 C510.2 ; v1(29.83,61.95) 29.97,61.95 30.18,61.74 ; R159.2 -38.61,50.06 C310.2 -37.87,50.5 -37.66,50.7 v1(-37.67,50.7) ; C176.2 v1(-3.49,47.18) ; C106.1 15.05,11.81 v1(15.04,11.81) ; v1(10.75,65.71) 10.75,65.24 11.23,64.76 D7.1 12.21,64.11 12.08,63.97 v1(12.08,63.28) ; J5.B12 40.37,3.81 40.37,3.09 40.34,3.06 v1(40.34,2.59) ; P9.34 -21.77,25.93 v1(-22.14,25.55) ; v1(-1.89,49.59) -2.13,49.35 C168.2 ; v1(-19.98,51.99) -19.98,52.53 -19.78,52.74 ; v1(10.85,56.97) 10.85,58.13 11.21,58.5 R70.2 ; v1(47.07,67.44) 47.2,67.44 47.48,67.15 J4.18 ; C253.2 -10.12,51.56 C242.2 -9.89,51.19 v1(-9.89,51.19) ; v1(-19.48,30.85) -19.47,30.83 C250.2 -17.89,30.83 -17.88,30.85 v1(-17.41,30.85) ; C248.2 v1(-10.69,43.18) -11.07,42.81 C259.2 ; v1(36.07,72.37) 36.07,72.42 36.23,72.58 J4.63 ; C87.2 20.05,60.03 20.86,60.84 C83.2 ; R66.2 14.46,47.61 ; C379.2 -2.95,32.83 v1(-2.86,32.74) ; 33.23,74.8 33.23,74.8 J4.75 33.23,72.62 33.2,72.59 v1(33.2,72.52) ; C208.2 -6.27,52.37 v1(-5.89,51.99) -5.89,51.95 C207.2 -6.65,51.19 v1(-6.69,51.19) ; C81.2 v1(21.6,63.68) ; U2.7 30.88,57.59 U2.15 ; v1(-0.29,49.59) 0.22,50.1 C133.2 0.85,50.1 0.9,50.15 R87.2 1.35,50.15 1.56,50.36 1.56,50.64 1.77,50.85 ; C118.2 4.58,65.81 v1(4.6,65.84) ; 31.6,19.27 31.49,19.27 30.31,18.09 v1(30.31,17.48) ; 30.18,61.74 C48.2 ; 30.18,61.74 C51.1 ; C230.2 -8.21,53.51 v1(-8.29,53.59) ; C180.2 -3.48,47.99 v1(-3.49,47.98) ; C222.2 -7.57,43.1 v1(-7.49,43.18) ; v1(25.15,59.97) 25.3,59.82 C67.2 ; C268.2 -11.9,47.59 v1(-11.49,47.18) -11.6,47.08 C264.2 ; C257.2 -11.39,44.08 v1(-11.49,43.98) -11.7,43.77 C265.2 ; v1(39.15,63.78) 39.16,63.79 R24.2 ; v1(5.31,39.18) 5.75,38.74 C115.2 ; v1(-7.49,44.78) -7.23,45.04 C219.2 -7.23,45.05 v1(-6.69,45.58) -6.5,45.78 C209.2 ; C57.2 26.88,49.65 v1(26.79,49.75) ; C202.2 -4.29,52.79 v1(-4.29,52.79) -4.28,52.78 C187.2 ; v1(23.53,60.71) 23.73,60.91 C72.2 ; v1(34.78,2.11) 34.43,2.45 34.43,3.85 J5.B1 ; v1(-39.82,51.72) -40.84,50.7 C313.2 ; v1(50.32,74.88) 50.23,74.79 J4.7 50.23,73.28 ; v1(34.73,72.52) J4.69 34.73,74.6 34.42,74.91 ; C156.2 -1.56,47.66 v1(-1.89,47.98) -1.84,48.03 C166.2 ; C241.2 -9.17,43.11 v1(-9.09,43.19) ; v1(-11.49,45.58) -11.81,45.9 C267.2 ; v1(-8.29,43.98) -8.16,43.85 C227.2 ; v1(8.08,63.35) 8.4,63.03 C113.2 8.54,63.05 R79.2 ; v1(-8.96,66.8) -8.28,66.12 C226.2 ; R149.2 -28.94,45.43 v1(-28.91,45.4) R146.2 ; v1(-37.48,53.01) -37.2,53.29 U8.2 ; C204.2 -5.21,50.25 v1(-5.08,50.38) -4.93,50.22 C195.2 -3.57,50.22 C184.2 -3.13,50.56 C175.2 -2.97,50.52 -2.71,50.52 -2.39,50.2 C169.2 ; v1(-21.13,60.94) -21.13,61.45 -21.14,61.46 R123.2 ; v1(-30.58,54.69) -30.58,54.81 -30.43,54.96 C296.2 ; J4.33 43.73,73.75 ; R356.2 47.35,39.44 47.34,39.45 47.34,39.99 47.12,40.21 C520.2 ; v1(19.67,63.12) 19.92,62.86 C84.2 ; R40.2 23.13,65.14 v1(23.37,65.38) ; C239.2 -9.05,52.03 -9.05,52.03 ; C49.2 v1(29.6,42.02) ; v1(-6.69,42.38) -6.62,42.46 R98.2 ; C69.2 25.14,36.61 25.31,36.78 ; C63.2 26.58,63.66 v1(26.63,63.7) 26.54,63.79 C66.2 ; 29.98,45.39 29.98,45.47 C53.2 29.49,46.15 30.36,47.02 30.41,47.02 ; C258.2 -10.94,48.23 v1(-10.69,47.98) ; R12.2 v1(48.57,9.15) ; C60.2 27.59,38.23 27.41,38.05 ; R135.2 -23.15,50.84 -22.75,50.44 C280.2 -22.75,49.15 v1(-23.12,48.78) ; -33,57.19 -32.39,57.8 U6.3 ; C110.2 7.87,56.32 7.78,56.41 7.78,56.87 v1(7.76,56.89) ; v1(-33.81,61.3) -33.75,61.3 -33.75,61.22 -33.68,61.15 C302.2 ; C116.2 5.66,48.33 ; C50.2 C56.2 ; C309.2 v1(-37.22,45.45) ; 5.15,42.55 v1(5.31,42.38) ; C93.2 18.74,63.11 v1(18.8,63.17) ; R144.2 v1(-27.38,40.75)
  BOTTOM w0.292: C27.2 40.81,52.88
  BOTTOM w0.305: J7.13 11.23,5.9 11.46,5.67 11.73,5.67 11.78,5.61 v1(12.27,5.61) ; 27.46,41.51 27.01,41.51 v1(26.79,41.29) ; 5.66,48.33 v1(5.31,47.98) ; J7.7 9.43,8.18 v1(9.43,8.18) ; v1(23.19,51.26) 23.12,51.32 23.12,51.79 ; 19.18,36.04 19.18,36.53 v1(19.19,36.53) ; 27.49,46.31 26.97,46.31 v1(26.79,46.5) ; v1(7.02,8.08) 7.32,8.08 7.63,7.77 J7.1 ; v1(21.19,51.2) 21.25,51.26 21.25,51.79 ; v1(48.57,9.15) 48.81,8.91 R14.2 ; R97.2 -4.37,55.91 v1(-4.29,55.99) ; v1(-2.66,63.2) -2.03,63.84 -2.03,64.64 -1.39,65.28 v1(-0.58,65.28) ; v1(17.19,41.94) 16.98,41.74 16.52,41.74 ; C114.2 8.13,61.64 8.44,61.94 v1(8.44,62.21) ; 25.31,36.78 25.31,37.27 v1(25.19,37.39) ; v1(17.19,38.04) 16.47,38.76 16.47,38.94 ; R91.2 -3.12,64.85 -2.89,64.63 v1(-2.89,63.76) ; v1(25.99,38.69) 26.1,38.69 26.73,38.05 27.41,38.05 ; v1(-7.49,44.78) -7.49,44.78 ; v1(17.19,46.5) 16.99,46.69 15.38,46.69 14.46,47.61 ; C263.2 -11.81,49.76 -11.81,49.79 -12.13,50.1 C273.2 ; C276.2 v1(-14.15,65.66) ; 1.77,50.85 v1(2.11,51.19) ; 5.15,42.54 5.15,42.55 ; 5.15,42.54 R83.2 ; 5.15,42.54 5.29,42.38 v1(5.31,42.38) ; v1(15.55,5.56) 15.12,6 13.27,6 13.03,6.23 J7.19 ; -13.85,46.33 -13.85,46.41 -13.88,46.41 v1(-13.88,46.38) ; -9.05,52.03 v1(-9.09,51.99)
  BOTTOM w0.381: D1.1 v1(49.13,32.15) D2.1 ; v1(53.57,24.72) 53.04,24.72 52.74,24.41 51.59,24.41 51.22,24.78 LED6.2 LED5.2 LED4.2 LED3.2 LED2.2 LED1.2 v1(51.22,34.86) 52.13,35.77 52.13,36.37 v1(51.64,36.86) ; C94.2 17.91,59.54 17.71,59.34 v1(17.71,58.65) ; SW3.1 SW3.3 v1(-43.09,52.09) -43.04,52.09 ; SW2.1 SW2.3 -43.04,57.84 v1(-43.04,57.82) ; SW1.1 SW1.3 -43.04,63.37 v1(-43.04,63.42) ; U7.2 -32.51,46.41 -32.84,46.08 -33.79,46.08 -33.83,46.12 v1(-34.36,46.12) ; C19.2 v1(40.47,14.84) ; v1(19.33,9.5) 19.33,8.6 C88.2 ; C8.2 46.61,15.41 46.49,15.53 D4.1 D3.1 ; R17.2 R22.2 48.83,5.97 ; v1(-37.23,44.15) -37.71,44.63 TP16.1 ; v1(2.78,64.35) 2.21,64.35 C238.2 1.59,65.69 2.74,65.69 v1(2.78,65.73) ; v1(-40.68,30.99) -40.48,31.19 -39.92,31.19 ; v1(20.48,20.88) 20.25,21.11 19.26,21.11 18.87,20.72 P9.1 18.87,20 19.14,19.73 19.81,19.73 v1(20.35,20.27) ; R356.2 47.31,38.91 46.84,38.91 v1(46.46,38.53) ; v1(49.51,6.02) 49.51,6 ; v1(50.1,39.57) 50.17,39.5 R353.2
  BOTTOM w0.406: v1(-45.86,16.62) -45.86,17.43 -45.69,17.6
  vias: v1(-46.25,6.96) v1(-45.28,49.15) v1(-45.23,22.46) v1(-45.05,39.73) v1(-44.9,37.03) v1(-44.93,16.66) v1(-44.77,59.11) v1(-44.65,60.5) v1(-44.52,62.38) v1(-44.14,47.88) v1(-44.06,14.73) v1(-44.09,13.44) v1(-43.96,57.15) v1(-43.86,11.41) v1(-43.55,22.63) v1(-43.58,9.22) v1(-43.45,37.01) v1(-43.05,13.49) v1(-43.1,8.33) v1(-42.97,18.67) v1(-43.02,12.32) v1(-42.44,19.51) v1(-42.06,16.66) v1(-41.93,63.25) v1(-41.75,22.66) v1(-41.5,19.48) v1(-41.09,63.98) v1(-41.04,33.66) v1(-40.79,30.2) v1(-38.17,71.91) v1(-38.09,68.99) v1(-38.02,67.06) v1(-37.84,74.02) v1(-37.48,12.73) v1(-36.29,74.83) v1(-34.69,74.86) v1(-33.95,50.6) v1(-33.99,50.03) v1(-33.88,55.93) v1(-33.85,55.4) v1(-33.88,6.61) v1(-33.78,2.21) v1(-33.57,39.8) v1(-33.04,74.91) v1(-32.73,3.33) v1(-32.45,71.88) v1(-32.51,5.06) v1(-32.35,73.05) v1(-32.25,30.89) v1(-32.24,29.39) v1(-32.1,0.59) v1(-31.97,32.11) v1(-31.9,8.26) v1(-30.7,75.01) v1(-30.65,33.89) v1(-30.71,30.86) v1(-30.42,2.57) v1(-29.53,0.79) v1(-29.43,6.73) v1(-29.33,18.15) v1(-28.43,29.78) v1(-28.34,31.45) v1(-28.06,73.48) v1(-28.06,2.52) v1(-27.99,26.06) v1(-27.76,0.74) v1(-27.71,6.71) v1(-26.79,5.26) v1(-26.38,2.72) v1(-26.26,8.94) v1(-25.52,74.65) v1(-24.76,39.24) v1(-23.72,1.93) v1(-23.46,11.66) v1(-22.88,18.26) v1(-22.8,25.55) v1(-21.2,18.59) v1(-20.9,74.75) v1(-20.85,14.25) v1(-20.67,18.59) v1(-19.83,18.57) v1(-18.56,14.2) v1(-18.28,11.05) v1(-18.18,27.64) v1(-18.03,65.64) v1(-17.09,11.03) v1(-15.54,5.84) v1(-14.52,4.34) v1(-11.58,33.38) v1(-10.31,3.71) v1(-8.55,3.91) v1(-8.1,21.64) v1(-7.89,20.32) v1(-6.42,22.99) v1(-5.76,21.72) v1(-5.28,30.74) v1(-5.33,20.47) v1(-4.63,65.34) v1(-4.29,46.38) v1(-4.13,23.04) v1(-3.75,34.3) v1(-2.86,74.63) v1(-2.76,73.38) v1(-2.81,23.01) v1(-2.74,21.64) v1(-2.56,31.62) v1(-1.97,7.19) v1(-1.95,3.56) v1(-1.92,5.28) v1(-1.8,1.37) v1(-1.09,-1.4) v1(-0.57,33.26) v1(-0.32,74.63) v1(-0.02,13.03) v1(0.11,1.32) v1(0.18,3.13) v1(0.34,5.16) v1(0.64,13.01) v1(1.35,6.73) v1(1.45,13.01) v1(2.24,30.48) v1(2.29,74.8) v1(2.34,29.99) v1(2.7,-1.42) v1(2.85,1.27) v1(2.9,21.9) v1(3.36,3.33) v1(4.15,0.1) v1(4.23,64.37) v1(4.53,11.91) v1(4.65,26.11) v1(5.73,64.37) v1(7.3,74.93) v1(7.64,65.75) v1(8.34,5.16) v1(8.41,1.88) v1(9.2,25.02) v1(9.66,26.34) v1(9.76,25.05) v1(10.01,74.98) v1(10.01,23.19) v1(10.22,73.76) v1(10.3,63.63) v1(10.34,61.9) v1(10.3,59.82) v1(10.45,3.28) v1(11.34,48.04) v1(11.34,45.5) v1(11.34,39.15) v1(12.05,1.88) v1(12.22,73.74) v1(12.66,74.91) v1(13.92,30.1) v1(13.98,27.66) v1(15.25,74.25) v1(15.43,30.15) v1(15.55,11.53) v1(16.08,61.16) v1(16.08,60.05) v1(16.19,24.97) v1(16.19,24.49) v1(16.39,74.98) v1(16.43,30.12) v1(16.41,4.7) v1(16.54,2.87) v1(16.92,61.16) v1(16.92,60.05) v1(16.97,0.99) v1(17.15,53.5) v1(17.41,34.45) v1(17.44,32.93) v1(17.43,15.27) v1(17.68,74.3) v1(17.71,25.33) v1(18.35,14.45) v1(18.88,-0.56) v1(19.01,74.98) v1(19.06,15.29) v1(19.06,14.53) v1(19.11,4.17) v1(19.18,2.21) v1(19.36,53.42) v1(19.54,27.76) v1(19.6,32.93) v1(19.69,34.45) v1(19.87,71.93) v1(20.1,74.12) v1(20.12,25.02) v1(20.22,72.77) v1(20.17,70.94) v1(20.45,0.59) v1(20.61,25.66) v1(21.76,32.93) v1(21.85,34.45) v1(21.77,-0.53) v1(22.49,53.5) v1(22.51,15.47) v1(22.74,5.28) v1(22.82,2.77) v1(22.89,0.94) v1(23.07,14.43) v1(23.3,27.79) v1(23.83,14.33) v1(23.83,13.82) v1(23.98,58.12) v1(24.04,32.93) v1(24.03,30.58) v1(24.26,34.45) v1(24.34,13.82) v1(24.31,4.52) v1(24.29,-0.53) v1(24.36,14.33) v1(24.49,2.31) v1(24.59,31.24) v1(24.57,30.33) v1(24.95,30.68) v1(24.87,14.33) v1(24.87,13.82) v1(25.15,3.48) v1(25.66,53.5) v1(25.66,51.98) v1(26.55,2.14) v1(26.6,2.92) v1(26.93,35.72) v1(26.93,-0.46) v1(27.13,4.14) v1(27.69,73.56) v1(27.72,72.87) v1(27.95,3.18) v1(28.12,2.14) v1(28.25,1.02) v1(28.3,72.52) v1(28.66,44.02) v1(28.84,46.18) v1(29.11,73.33) v1(29.07,41.44) v1(29.17,74.93) v1(29.22,4.22) v1(29.34,51.74) v1(29.37,45.67) v1(29.39,-0.35) v1(29.55,44.02) v1(29.55,27.61) v1(29.62,2.14) v1(29.7,3.05) v1(29.8,51.84) v1(29.8,51.36) v1(30.13,4.55) v1(30.18,58.37) v1(30.56,19.89) v1(30.64,2.82) v1(30.66,1.37) v1(30.94,39.65) v1(30.94,26.54) v1(31.05,75.52) v1(30.99,40.31) v1(31.63,18.95) v1(31.76,74.07) v1(31.98,21.19) v1(32.16,40.26) v1(32.16,39.73) v1(32.19,19.25) v1(32.39,75.62) v1(32.49,74.07) v1(33.2,26.42) v1(33.64,13.49) v1(33.66,14.25) v1(34.35,75.54) v1(34.5,14.23) v1(34.58,13.46) v1(34.8,1.22) v1(35.24,52.83) v1(36.33,40.57) v1(36.28,2.11) v1(36.3,1.22) v1(36.76,75.54) v1(37.42,3.13) v1(37.93,1.32) v1(38.51,25.83) v1(38.61,27.94) v1(38.56,23.5) v1(38.74,75.57) v1(38.72,31.68) v1(38.74,16.79) v1(38.77,32.54) v1(38.79,19.2) v1(38.77,17.86) v1(39.22,34.93) v1(39.2,33.66) v1(39.22,17.58) v1(39.38,19.2) v1(39.38,1.32) v1(39.58,16.89) v1(39.76,17.76) v1(40.21,34.95) v1(40.24,33.66) v1(40.24,1.25) v1(40.31,27.92) v1(40.29,23.95) v1(40.39,32.59) v1(40.44,31.78) v1(40.6,52.94) v1(40.9,19.97) v1(40.98,16.64) v1(41.15,51.64) v1(41.31,62.16) v1(41.31,60.53) v1(41.33,59.97) v1(41.43,46.94) v1(41.46,75.57) v1(41.46,45.87) v1(41.48,44.78) v1(41.46,19.05) v1(41.69,34.85) v1(41.66,33.58) v1(41.89,17.88) v1(41.89,16.64) v1(41.99,62.28) v1(42.17,34.24) v1(42.4,55.73) v1(42.45,25.91) v1(42.48,27.97) v1(42.65,62.28) v1(42.65,33.58) v1(42.68,34.85) v1(42.78,47.73) v1(42.86,45.92) v1(42.83,44.78) v1(42.81,23.39) v1(43.03,75.62) v1(43.21,59.84) v1(43.21,51.64) v1(43.29,70.94) v1(43.44,52.91) v1(43.36,3.18) v1(43.52,62.28) v1(43.67,55.04) v1(43.94,2.26) v1(44.35,3.13) v1(44.43,68.02) v1(44.56,71.81) v1(45.04,51.74) v1(45.04,1.3) v1(45.07,2.24) v1(45.22,75.54) v1(45.21,3.37) v1(45.27,68) v1(45.29,67.03) v1(45.8,2.69) v1(46.13,13.72) v1(46.23,14.61) v1(46.22,2.18) v1(46.2,1.24) v1(46.34,3.35) v1(46.49,27.46) v1(46.95,13.69) v1(47.12,14.61) v1(47.3,75.52) v1(47.28,27.94) v1(47.49,3.3) v1(48.34,29.11) v1(48.32,28.07) v1(48.57,55.91) v1(48.81,3.37) v1(48.93,28.55) v1(49.05,68.1) v1(49.03,56.41) v1(49,55.5) v1(49.54,29.08) v1(49.54,28.09) v1(49.94,3.35) v1(50.53,64.19) v1(50.7,75.59) v1(50.76,57.33) v1(50.81,56.44) v1(51.1,3.3) v1(51.85,56.41) v1(51.87,57.28) v1(52.83,73.05) v1(53.04,3.99) v1(53.07,72.21) v1(53.12,71.02) v1(53.47,74.8) v1(53.55,68.91) v1(53.55,14.68) v1(53.52,11.76) v1(53.55,9.12) v1(53.55,6.38) v1(53.65,64.21) v1(53.65,59.13) v1(53.6,51.39) v1(53.65,48.97) v1(53.65,43.89) v1(53.65,38.81) v1(53.57,22.4) v1(53.6,19.97) v1(53.57,17.43)
